# Allegro board LAY_90818_C.brd (continued)
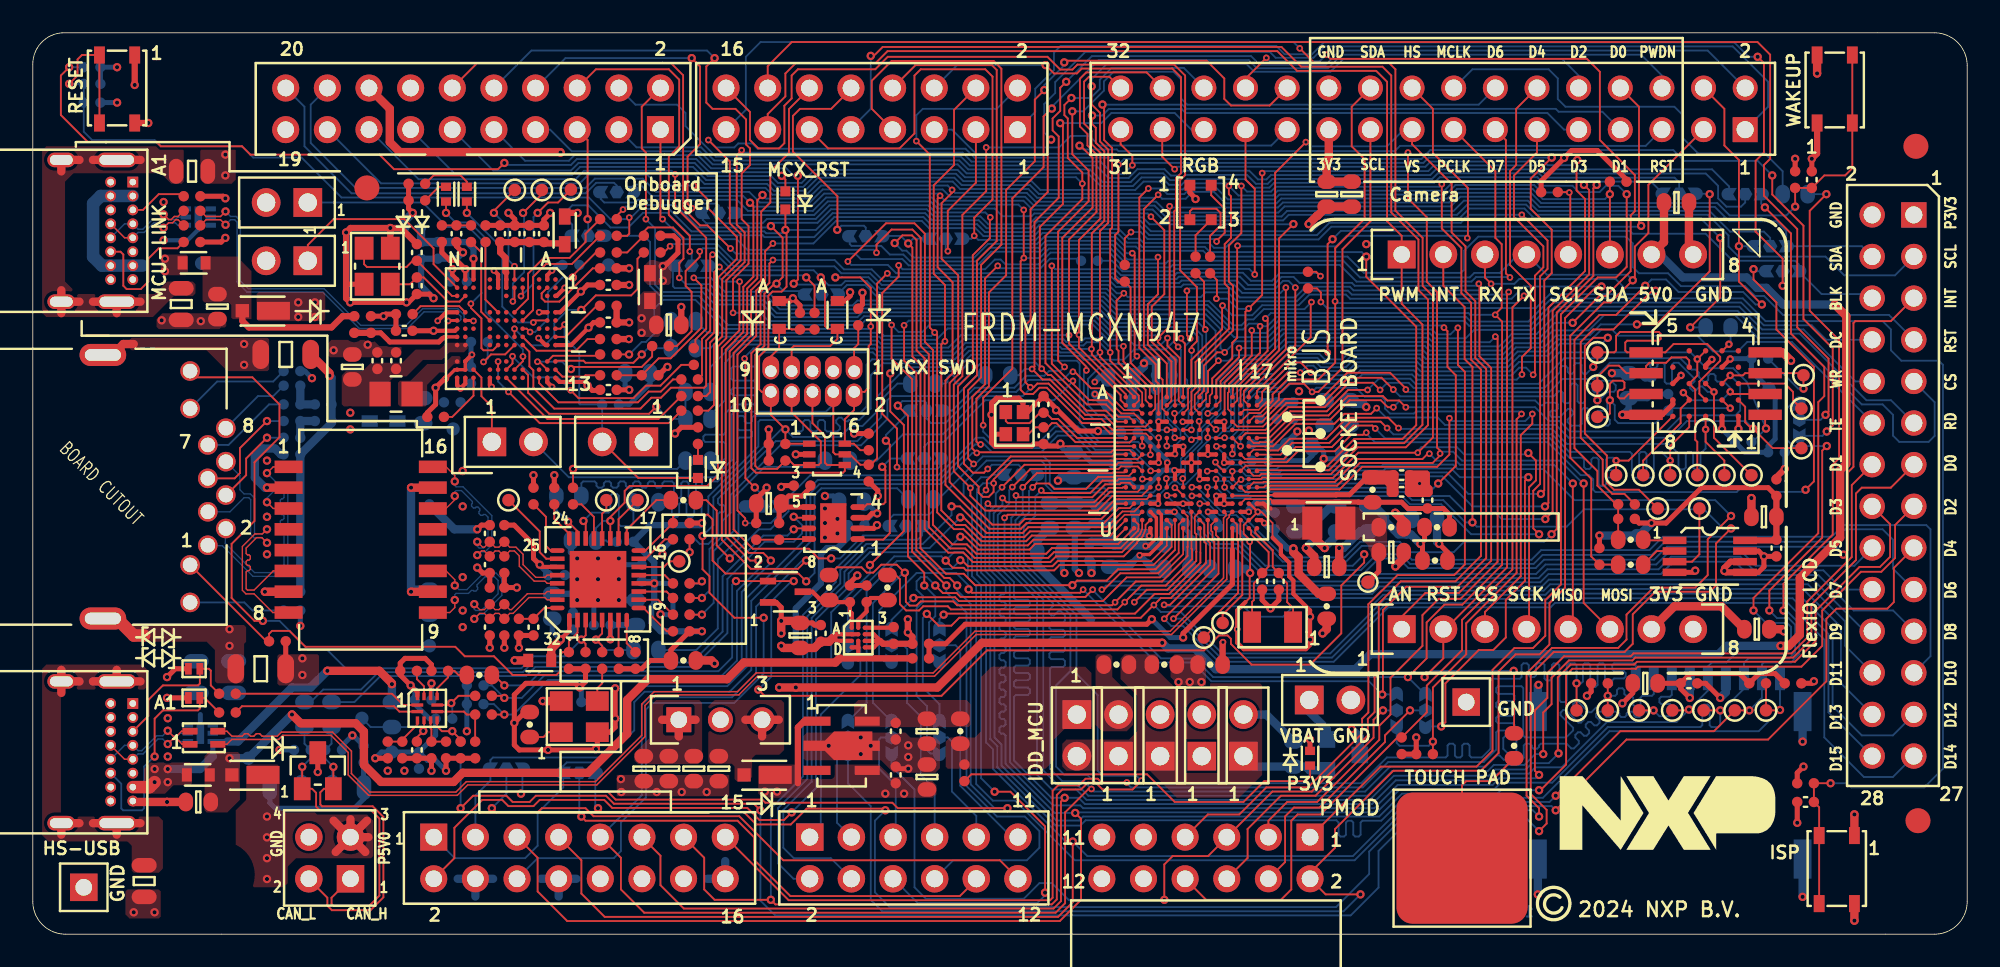
[diagram p0: board, top side]
## Routing (per net, layer and track width the routed paths; a pad name or vN(x,y) marks a point on that pad's centre or on a via; arc(x,y) is an arc through that point) (continued)
P3_1/FLEXSPI0_A_SS1_B: length 39.4
  TOP w0.102: 75.34,33.05 75.34,32.55 74.79,32 73.9,32 U1.C15
  TOP w0.112: 75.34,33.05 76.55,34.26 v1(77.32,34.26) ; v2(96.07,36.39) 95.19,36.39 94.68,35.88 94.68,30.55 96.02,29.21 96.02,27.56 96.45,27.12 97.98,27.12 TP31.1
  BOTTOM w0.112: v1(77.32,34.26) 77.74,34.69 78.12,34.69 78.45,34.36 80.22,34.36 80.76,34.9 84.47,34.9 84.77,34.6 89.98,34.6 90.68,35.3 92.42,35.3 93.16,36.03 95.72,36.03 v2(96.07,36.39)
P3_2/FC7_I2C_SDA: length 87.9
  TOP w0.102: U1.D15 73.68,31.27 74.21,31.8 74.88,31.8 75.52,32.43 75.52,32.45
  TOP w0.112: J9.20 80.45,50.49 80.45,48.07 81.24,47.29 81.24,43.65 79.45,41.86 79.45,38.98 79.45,38.98 79.45,38.67 79.44,38.66 v1(79.44,38.62) 79.45,38.61 79.45,34.88 78.42,33.84 76.53,33.84 75.63,32.94 75.63,32.56 75.52,32.45 ; J7.8 71.58,2.1 76.14,2.1 76.77,2.73 76.77,6.93 77.15,7.31 78.55,7.31 83.25,12.01 R210.2 85.03,13.54 85.03,15.17 87.18,17.32 87.18,19.18 90.26,22.25 90.26,38.25 v1(90.96,38.95)
  BOTTOM w0.112: v1(79.44,38.62) 79.54,38.51 90.52,38.51 v1(90.96,38.95)
P3_3/FC7_I2C_SCL: length 63.3
  TOP w0.102: 75.5,32.11 75.5,32.1 74.99,31.59 74.5,31.59 U1.D16
  TOP w0.112: R211.2 v2(85.41,11.75) 85.41,15.05 87.44,17.09 87.44,18.97 90.51,22.05 90.51,31.42 90.81,31.72 v1(90.81,31.74) ; J9.19 81.6,43.5 79.89,41.8 79.89,34.56 78.42,33.09 v1(78.04,33.09) 77.54,33.59 76.64,33.59 76.01,32.96 76.01,32.62 75.5,32.11
  BOTTOM w0.112: v1(90.81,31.74) 90.66,31.89 84.37,31.89 84.24,31.77 82.79,31.77 82.49,32.07 82.49,32.58 82.27,32.8 81.25,32.8 80.71,33.34 78.29,33.34 v1(78.04,33.09) ; SJ12.1 83.2,11.68 83.37,11.5 85.15,11.5 v2(85.41,11.75)
P3_4/SMARTDMA_LCD_D4_CAMERA_D4: length 40.2
  TOP w0.102: U1.F14 v1(73.67,29.77)
  TOP w0.112: v1(90.84,34.15) 90.84,35.22 91.38,35.75 91.38,39.56 90.11,40.83 90.11,46.56 90.49,46.93 90.49,50.36 J9.12
  BOTTOM w0.102: v1(73.67,29.77) 73.67,30.2 74.1,30.62 74.1,32.52 74.67,33.09 76.22,33.09 76.73,33.6
  BOTTOM w0.112: v1(90.84,34.15) 90.52,33.83 84.45,33.83 84.14,34.15 81.09,34.15 80.54,33.6 76.73,33.6
P3_5/SMARTDMA_LCD_D5_CAMERA_D5: length 39.5
  TOP w0.102: U1.G14 v1(73.17,29.3)
  TOP w0.112: v1(91.52,34.13) 91.63,34.24 91.63,40.18 92.15,40.69 92.15,41.97 90.35,43.76 90.35,46.29 91.76,47.69 J9.11
  BOTTOM w0.102: v1(73.17,29.3) 73.32,29.44 73.32,30.14 73.85,30.67 73.85,32.62 74.57,33.34
  BOTTOM w0.112: 74.57,33.34 76.11,33.34 76.62,33.85 80.43,33.85 80.98,34.4 84.24,34.4 84.56,34.09 90.19,34.09 90.67,34.57 91.09,34.57 v1(91.52,34.13)
P3_6/FLEXSPI0_A_DQS: length 41.5
  TOP w0.102: 75.52,31.8 74.99,31.27 U1.D17
  TOP w0.112: 75.52,31.8 76.38,32.67 78.6,32.67 80.19,34.26 82.79,34.26 83.76,33.3 v1(83.76,33.23) ; U7.C3 v3(102.55,33.09) 102.55,30.29 TP8.1
  BOTTOM w0.112: v1(83.76,33.23) 83.91,33.07 92.5,33.07 93.31,33.88 95.21,33.88 96.2,34.87 98.54,34.87 98.65,34.75 98.65,34.65 98.76,34.54 98.99,34.54 99.1,34.65 99.1,34.75 99.21,34.87 99.43,34.87 99.54,34.75 99.54,33.71 99.66,33.6 99.88,33.6 99.99,33.71 99.99,34.75 100.1,34.87 100.39,34.87 101.37,33.89 101.37,33.73 101.1,33.47 101.1,33.32 101.26,33.16 101.42,33.16 101.68,33.42 101.84,33.42 102.17,33.09 v3(102.55,33.09)
P3_7/FLEXSPI0_A_SCLK: length 40.5
  TOP w0.102: 75.5,31.44 75.04,30.98 73.47,30.98 U1.D14
  TOP w0.112: v2(95.44,32.58) TP18.1 95.44,34 96.14,34.69 96.75,34.69 97.22,34.23 98.41,34.23 98.41,34.66 98.61,34.87 99.63,34.87 99.96,35.2 100.86,35.2 101.04,35.01 U7.B2 ; 75.5,31.44 76.48,32.41 78.7,32.41 80.24,33.95 82.27,33.95 v1(82.99,33.23)
  BOTTOM w0.112: v2(95.44,32.58) 95.55,32.58 96.06,33.1 96.45,33.1 96.56,33.21 96.56,33.49 96.28,33.77 95.72,33.77 95.6,33.66 95.6,33.17 95.49,33.06 95.27,33.06 95.16,33.17 95.16,33.48 95.05,33.6 94.79,33.6 94.68,33.48 94.68,32.51 94.57,32.4 94.34,32.4 94.23,32.51 94.23,33.48 94.12,33.6 93.9,33.6 93.79,33.48 93.79,32.51 93.67,32.4 93.45,32.4 93.34,32.51 93.34,33.03 93.24,33.13 93.08,33.13 92.77,32.82 83.4,32.82 v1(82.99,33.23)
P3_8/FLEXSPI0_A_DATA0: length 44.6
  TOP w0.102: U1.E14 75.19,30.77 75.5,31.08
  TOP w0.112: v1(82.18,33.21) 81.75,33.65 80.29,33.65 78.81,32.16 76.58,32.16 75.5,31.08 ; v2(95.19,34.61) 95.44,34.87 TP16.1 96.47,35.5 96.58,35.61 96.58,36.51 96.82,36.75 99.19,36.75 99.3,36.63 99.3,36.32 99.19,36.21 97.25,36.21 97.14,36.1 97.14,35.61 97.25,35.5 U8.5 99.58,35.5 100.09,36.01 102.14,36.01 102.93,35.22 102.93,34.99 101.66,33.72 101.66,32.98 U7.D3
  BOTTOM w0.112: v2(95.19,34.61) 94.77,34.2 94.58,34.2 94.47,34.31 94.47,34.73 94.36,34.84 94.13,34.84 94.02,34.73 94.02,34.31 93.91,34.2 93.74,34.2 93.63,34.31 93.63,34.55 93.52,34.66 93.29,34.66 93.18,34.55 93.18,34.31 92.2,33.33 84.24,33.33 83.93,33.64 82.62,33.64 v1(82.18,33.21)
P3_9/FLEXSPI0_A_DATA1: length 45.8
  TOP w0.102: 75.48,30.67 75.37,30.56 73.97,30.56 U1.F15
  TOP w0.112: v3(100.68,33.05) 101.04,32.69 U7.D2 100.52,32.07 100.52,31.18 98.23,28.9 TP15.1 ; v1(81.42,33.21) 80.24,33.21 78.93,31.9 76.71,31.9 75.48,30.67 ; v3(103.54,33.1) 103.68,32.96 U8.2
  BOTTOM w0.112: v3(100.68,33.05) 101.15,32.58 103.03,32.58 v3(103.54,33.1) 103.54,33.34 103.17,33.71 102.76,33.71 102.65,33.83 102.65,34.07 102.54,34.18 102.31,34.18 102.2,34.07 102.2,33.83 102.09,33.71 101.92,33.71 101.63,34.01 101.63,34.26 101.44,34.45 101.19,34.45 100.49,35.15 93.42,35.15 91.85,33.58 84.35,33.58 84.03,33.9 82.11,33.9 v1(81.42,33.21)
P3_10/FLEXSPI0_A_DATA2: length 43.4
  TOP w0.102: 75.46,30.29 74.7,30.29 U1.F17
  TOP w0.112: U7.C4 v3(103.54,34.1) 104.32,34.1 104.46,34.23 107.89,34.23 TP13.1 v2(108.01,33.29) ; 75.46,30.29 76.81,31.65 79.04,31.65 80.22,32.83 82.36,32.83 82.63,32.56 83.34,32.56 v1(83.76,32.15)
  BOTTOM w0.112: R59.2 107.68,33.29 v2(108.01,33.29) ; v3(103.54,34.1) 104.15,33.49 104.15,31.94 103.87,31.66 100.61,31.66 99.63,30.67 93.76,30.67 93.13,31.31 92.49,31.31 91.64,32.15 v1(83.76,32.15)
P3_11/FLEXSPI0_A_DATA3: length 47.7
  TOP w0.102: 75.5,30.02 74.85,30.02 74.8,29.97 74.47,29.97 U1.F16
  TOP w0.112: TP14.1 96,31.56 96.2,31.77 v2(96.2,32.58) 96.2,33.59 96.39,33.77 96.98,33.77 97.09,33.66 97.09,33.33 96.98,33.21 96.8,33.21 96.68,33.1 96.68,32.81 96.8,32.69 97.08,32.69 97.34,32.96 U8.7 ; U7.D4 v3(103.54,32.1) ; 75.5,30.02 75.55,30.02 76.92,31.4 79.14,31.4 80.33,32.58 82.23,32.58 82.66,32.15 v1(82.99,32.15)
  BOTTOM w0.112: v3(103.54,32.1) 99.91,32.1 R60.2 99,31.18 96.71,31.18 96.5,31.39 96.5,32.28 v2(96.2,32.58) 96.05,32.43 96.05,32.05 95.94,31.94 95.47,31.94 95.36,31.82 95.36,31.6 95.47,31.49 96.09,31.49 96.2,31.38 96.2,31.14 96.09,31.03 95.04,31.03 94.93,31.14 94.93,31.99 94.82,32.1 94.59,32.1 94.48,31.99 94.48,31.14 94.37,31.03 93.84,31.03 93.63,31.24 93.63,31.4 93.96,31.74 93.96,31.9 93.81,32.05 93.65,32.05 93.16,31.56 92.65,31.56 92.53,31.68 92.53,31.83 92.65,31.95 92.9,31.95 93.03,32.07 93.03,32.33 92.92,32.43 92.26,32.43 92.1,32.27 91.94,32.27 91.64,32.56 83.4,32.56 v1(82.99,32.15)
P3_12/FLEXSPI0_A_DATA4: length 38.7
  TOP w0.102: 75.5,29.77 U1.G16
  TOP w0.112: v1(81.98,32.1) 81.63,31.75 80.01,31.75 79.4,31.14 77.02,31.14 75.65,29.77 75.5,29.77 ; U7.D5 104.46,32.18 104.46,31.23 104.84,30.85 v2(104.94,30.85) 106.13,29.66 TP17.1
  BOTTOM w0.112: v2(104.94,30.85) 104.48,31.31 100.9,31.31 99.88,30.29 93.69,30.29 92.91,31.07 86.15,31.07 85.69,31.53 82.55,31.53 v1(81.98,32.1)
P3_13/FLEXSPI0_A_DATA5: length 38.8
  TOP w0.102: U1.H16 74.47,29.56 75.22,29.56 75.26,29.52 75.5,29.52
  TOP w0.112: TP11.1 103.19,28.9 102.04,30.04 v3(102.04,30.8) U7.E3 ; v1(83.31,30.88) 82.68,31.51 80.17,31.51 78.89,30.23 76.68,30.23 75.97,29.52 75.5,29.52
  BOTTOM w0.112: v1(83.31,30.88) 83.36,30.83 92.67,30.83 93.58,29.91 99.79,29.91 100.39,29.32 100.39,28.48 100.5,28.36 100.72,28.36 100.83,28.48 100.83,29.32 100.95,29.43 101.17,29.43 101.28,29.32 101.28,28.48 101.39,28.36 101.62,28.36 101.73,28.48 101.73,29.32 102.04,29.63 v3(102.04,30.8)
P3_14/FLEXSPI0_A_DATA6: length 36.9
  TOP w0.102: 76.25,29.39 76.12,29.26 74.68,29.26 U1.H17
  TOP w0.112: v1(82.61,30.88) 82.22,31.27 80.39,31.27 79.09,29.98 76.83,29.98 76.25,29.39 ; TP10.1 v3(99.88,28.9) 99.88,29.79 101.04,30.94 U7.E2
  BOTTOM w0.112: v1(82.61,30.88) 83,30.5 92.66,30.5 93.73,29.43 97.43,29.43 97.54,29.32 97.54,27.97 97.65,27.86 97.88,27.86 97.99,27.97 97.99,29.32 98.1,29.43 98.32,29.43 98.44,29.32 98.44,27.97 98.55,27.86 98.77,27.86 98.88,27.97 98.88,29.32 98.99,29.43 99.35,29.43 v3(99.88,28.9)
P3_15/FLEXSPI0_A_DATA7: length 35.9
  TOP w0.102: 76.42,29.1 76.31,29 73.95,29 U1.H15
  TOP w0.112: 76.42,29.1 77.04,29.72 79.25,29.72 80.56,31.04 81.71,31.04 v1(81.89,30.86) ; TP9.1 v3(96.58,28.9) 97.34,28.9 U7.E1
  BOTTOM w0.112: v3(96.58,28.9) 96.4,29.07 96.08,29.07 95.97,28.96 95.97,28.42 96.08,28.31 96.67,28.31 96.79,28.2 96.79,27.98 96.67,27.87 96.08,27.87 95.97,27.75 95.97,27.46 95.85,27.35 95.63,27.35 95.52,27.46 95.52,28.96 95.41,29.07 95.18,29.07 95.07,28.96 95.07,28.5 94.96,28.39 94.74,28.39 94.63,28.5 94.63,28.96 94.51,29.07 93.74,29.07 92.55,30.26 82.49,30.26 v1(81.89,30.86)
P3_16/SAI1_TX_BCLK: length 53.5
  TOP w0.102: 76.55,28.86 76.49,28.8 73.7,28.8 U1.J15
  TOP w0.112: v2(104.96,40.58) 104.96,39.95 106.36,38.55 106.36,36.9 108.65,34.61 108.65,27.63 v2(108.14,27.12) ; 76.55,28.86 77.16,29.47 79.42,29.47 80.43,30.47 81.14,30.47 81.27,30.6 v1(81.34,30.6)
  BOTTOM w0.112: v2(104.96,40.58) 105.09,40.45 SJ11.1 ; v1(81.34,30.6) 81.34,30.55 81.87,30.02 92.41,30.02 94.42,28.01 94.93,28.01 95.19,27.75 95.19,27.12 95.33,26.98 103.93,26.98 104.2,27.25 105.85,27.25 106.11,26.99 108.01,26.99 v2(108.14,27.12)
P3_17/SAI1_TX_FS: length 75.1
  TOP w0.102: U1.K15 74,28.59 75.47,28.59 75.48,28.58
  TOP w0.112: J1.11 48.51,47.95 52.87,47.95 53.78,48.86 53.78,52.39 54.16,52.77 58.1,52.77 58.54,52.33 58.54,44.83 57.43,43.72 v1(57.43,42.61) ; 75.48,28.58 78.97,28.58 80.61,30.22 83.55,30.22 84.39,31.06 84.39,37.07 81.34,40.12 v2(81.34,41.34)
  BOTTOM w0.112: v2(81.34,41.34) 81.07,41.62 71.81,41.62 71.49,41.94 67.67,41.94 67.41,42.19 66.75,42.19 66.16,42.78 61.59,42.78 61.17,42.36 57.68,42.36 v1(57.43,42.61) 57.25,42.44 SJ10.3
P3_18/SAI1_RX_BCLK: length 72.3
  TOP w0.102: U1.K16 74.47,27.98 74.83,27.98 74.94,28.08 75.52,28.08 75.53,28.07 79.18,28.07
  TOP w0.112: 79.18,28.07 80.82,29.71 83.76,29.71 85.11,31.06 85.11,38.72 84.53,39.3 84.53,42.38 82.87,44.04 82.87,52.39 82.33,52.93 77.37,52.93 76.17,54.13 51.84,54.13 51.3,53.59 v2(51.12,53.59)
  BOTTOM w0.112: v2(51.12,53.59) 51.12,50.36 49.91,49.15 J1.9
P3_19/ME_PWM: length 75
  TOP w0.102: 79,28.31 74.71,28.31 U1.K17
  TOP w0.112: J1.13 44.83,50.04 45.91,51.12 45.91,52.52 46.54,53.15 51.41,53.15 52.14,53.88 75.92,53.88 77.12,52.68 81.95,52.68 82.61,52.01 82.61,43.5 83.5,42.61 J5.1 83.5,38.46 84.77,37.2 84.77,31.08 83.65,29.96 80.72,29.96 79.06,28.31 79,28.31
P3_20/ME_FC6_SPI_MOSI: length 80
  TOP w0.102: 75.5,27.37 75.19,27.37 75.1,27.27 U1.M17
  TOP w0.112: 75.5,27.37 79.56,27.37 80.95,28.75 85.39,28.75 85.84,29.21 v1(85.84,29.33) 85.84,29.51 85.66,29.69 85.66,39.18 85.03,39.81 85.03,43.75 83.89,44.89 v1(83.89,47.69) ; J6.6 94.6,20.21 v2(94.6,27.5)
  BOTTOM w0.112: v1(83.89,47.69) 83.74,47.54 66.13,47.54 66.05,47.62 57.54,47.62 56.07,49.09 J1.5 ; v2(94.6,27.5) 94.56,27.5 93.16,28.9 87.18,28.9 86.64,29.44 85.96,29.44 v1(85.84,29.33)
P3_21/ME_FC6_SPI_CLK: length 99.7
  TOP w0.102: U1.L16 74.91,27.77 75.01,27.86 75.41,27.86 75.43,27.84 75.5,27.84
  TOP w0.112: 75.5,27.84 79.31,27.84 80.85,29.38 v1(84.48,29.38) 85.41,30.3 85.41,38.93 84.78,39.56 84.78,42.49 83.12,44.15 83.12,52.77 82.72,53.17 78.17,53.17 v1(77.29,54.05) ; v2(91.23,29.36) 91.69,28.9 91.69,27.69 91.27,27.27 91.27,18.77 J6.4
  BOTTOM w0.112: v1(84.48,29.38) 84.48,29.5 84.7,29.71 86.87,29.71 87.31,29.28 91.15,29.28 v2(91.23,29.36) ; v1(77.29,54.05) 76.9,54.44 44.4,54.44 43.5,53.53 43.5,50.3 J1.15
P3_22/ME_FC6_SPI_MISO: length 30.4
  TOP w0.102: U1.M16 74.47,27.57 75.06,27.57 75.09,27.6 75.56,27.6
  TOP w0.112: v2(93.94,27.5) 93.94,18.89 J6.5 ; 75.56,27.6 79.43,27.6 80.83,28.99 84.77,28.99 85.09,29.32 v1(85.19,29.32)
  BOTTOM w0.112: v2(93.94,27.5) 92.8,28.64 87.06,28.64 86.81,28.89 85.62,28.89 85.2,29.32 v1(85.19,29.32)
P3_23/ME_FC6_SPI_CS: length 35.7
  TOP w0.102: 75.5,27.14 75.39,27.14 75.24,26.99 74.86,26.99 74.85,26.98 73.97,26.98 U1.M15
  TOP w0.112: 75.5,27.14 79.71,27.14 81.09,28.52 85.66,28.52 86.41,29.27 v1(86.41,31.48) ; J6.3 88.58,19.66 90.77,21.84 90.77,30.45 91.47,31.15 v1(91.47,31.74)
  BOTTOM w0.112: v1(86.41,31.48) 86.59,31.31 91.04,31.31 v1(91.47,31.74)
P4_0/FC2_I2C_SDA-ARD_D18: length 152.1
  TOP w0.112: U1.P1 66.12,26.27 65.19,25.34 60.52,25.34 60.17,24.99 58.53,24.99 55.93,27.59 55.93,33.63 56.45,34.15 56.45,40.2 55.43,41.22 55.43,44.6 56.08,45.24 v1(56.08,45.41) ; R45.1 v2(28.76,13.4) ; v2(44.51,45.1) 44.19,44.78 44.19,40.01 43.58,39.4 43.58,36.63 43.08,36.14 42.51,35.56 42.51,24.42 43.67,23.26 44.56,23.26 v2(45.02,22.8)
  BOTTOM w0.112: v2(45.02,22.8) 45.02,22.66 43.25,20.88 43.25,16.5 42.26,15.52 31.44,15.52 29.32,13.4 v2(28.76,13.4) 28.13,14.04 R148.2 ; v2(44.51,45.1) 44.73,44.88 47.29,44.88 48.09,45.68 55.81,45.68 v1(56.08,45.41) 56.26,45.23 60.63,45.23 61.17,44.69 68.53,44.69 69.19,44.03 75.98,44.03 76.35,44.41 86.49,44.41 87.08,45 91.29,45 91.91,44.37 102.61,44.37 103.48,43.5 106.36,43.5 106.96,42.91 SJ14.1 111.57,41.98 J8.4
P4_1/FC2_I2C_SCL-ARD_D19: length 162.6
  TOP w0.102: 66.37,26 66.9,26 U1.P2
  TOP w0.112: v1(55.34,45.06) 55.2,44.91 55.2,40.69 56.1,39.78 56.1,34.22 55.67,33.78 55.67,27.41 58.35,24.74 60.27,24.74 60.62,25.09 65.34,25.09 66.25,26 66.37,26 ; R43.1 28.64,14.55 v2(28.76,14.42) ; v2(43.75,44.63) 43.96,44.42 43.96,40.11 43.34,39.5 43.34,36.74 42.83,36.23 42.83,36.22 42.27,35.66 42.27,24.28 43.75,22.8 v2(44.26,22.8)
  BOTTOM w0.112: J8.3 113.59,40.2 110.5,40.2 109.36,41.34 104.06,41.34 103.44,41.96 103.44,42.63 102.18,43.9 91.71,43.9 91.09,44.52 87.5,44.52 86.88,43.89 76.61,43.89 76.27,43.55 68.98,43.55 68.31,44.22 60.97,44.22 60.43,44.75 55.65,44.75 v1(55.34,45.06) 55.21,45.19 48.27,45.19 47.48,44.39 43.99,44.39 v2(43.75,44.63) 43.33,45.05 37.76,45.05 37.07,45.74 36.71,45.74 36.6,45.63 SJ15.1 ; R149.2 28,15.18 v2(28.76,14.42) 29.83,14.42 31.19,15.78 42.04,15.78 42.95,16.7 42.95,20.95 44.26,22.26 v2(44.26,22.8)
P4_2/FC2_P2_UART_TXD_MCULINK: length 56.4
  TOP w0.102: 66.36,24.96 U1.T1
  TOP w0.112: J1.4 56.2,50.3 56.2,46.93 54.96,45.69 54.96,40.3 55.64,39.61 v1(55.64,36.18) 55.6,36.18 55.42,35.99 55.42,25.86 56.32,24.97 56.88,24.97 57.87,23.98 60.59,23.98 60.94,24.32 65.73,24.32 66.36,24.96
  BOTTOM w0.112: R178.2 41.34,34.6 42.95,36.22 51.54,36.22 51.73,36.03 55.49,36.03 v1(55.64,36.18)
P4_3/FC2_P3_UART_TXD_MCULINK: length 59.4
  TOP w0.102: 66.17,24.26 U1.U1
  TOP w0.112: v1(53.9,48.39) 54.72,47.57 54.72,37.01 v1(55.02,36.71) 55.17,36.56 55.17,25.74 56.19,24.71 56.78,24.71 57.77,23.72 60.7,23.72 61.04,24.07 65.98,24.07 66.17,24.26
  BOTTOM w0.112: J1.2 58.8,50.36 54.29,50.36 53.9,49.97 v1(53.9,48.39) ; v1(55.02,36.71) 54.81,36.51 51.93,36.51 51.74,36.69 41.16,36.69 R179.2
P4_4/SMARTDMA_LCD_CS: length 72.6
  TOP w0.102: v1(69.14,27.8) 69.17,27.77 U1.M6
  TOP w0.112: v2(93.93,37.3) 95.56,38.93 95.95,38.93 97.47,40.45 97.47,43.86 97.73,44.11 97.73,46.32 95.59,48.45 95.59,52.62 94.8,53.41 79.15,53.41 v1(78.9,53.66) ; J9.26 73.98,52.2 v1(75.25,53.47)
  BOTTOM w0.102: v1(69.14,27.8) 69.22,27.88 69.72,27.88 70.04,28.2 70.04,29.03 71.06,30.05 71.06,30.65 72.45,32.05 72.45,33.49
  BOTTOM w0.112: 72.45,33.49 73.77,34.81 75.6,34.81 76.68,35.9 84.9,35.9 85.19,35.61 89.56,35.61 90.31,36.36 91.9,36.36 92.84,37.3 v2(93.93,37.3) ; v1(78.9,53.66) 78.5,53.26 75.45,53.26 v1(75.25,53.47)
P4_5/FXIO_LCD_GPIO: length 56.5
  TOP w0.102: U1.M8 70.17,27.77 v1(70.15,27.8)
  TOP w0.112: v1(79,35.49) 78.99,35.5 78.99,35.85 78.99,42.11 v2(79.28,42.4)
  BOTTOM w0.102: 72.71,33.22 72.71,32.02 71.31,30.62 71.31,30.01 70.29,29 70.29,27.95 v1(70.15,27.8)
  BOTTOM w0.112: v1(79,35.49) 78.84,35.64 76.79,35.64 75.63,34.48 73.98,34.48 72.71,33.22 ; J8.6 111.95,39.06 109.12,39.06 SJ11.3 107.72,40.87 107.5,41.09 103.69,41.09 102.04,42.74 97.6,42.74 97.43,42.91 79.79,42.91 v2(79.28,42.4)
P4_6/FXIO_LCD_INT: length 64.3
  TOP w0.102: U1.N7 v1(69.18,26.77)
  TOP w0.112: J8.5 113.34,37.41 111.17,37.41 111.06,37.29 111.06,28.52 110.7,28.16 110.7,23.41 v2(110.45,23.16)
  BOTTOM w0.102: v1(69.18,26.77) 69.18,26.75 70.19,25.74 70.44,25.74 71.08,25.11
  BOTTOM w0.112: v2(110.45,23.16) 110.45,23.21 110.02,23.64 99.69,23.64 98.89,22.85 92.19,22.85 91.67,22.34 83.91,22.34 83.32,22.93 82.1,22.93 81.09,21.91 75.03,21.91 73.39,23.56 71.95,23.56 71.08,24.43 71.08,25.11
P4_7/FXIO_LCD_RST: length 104.5
  TOP w0.102: U1.T4 67.88,24.97 67.88,24.7 67.69,24.25 67.36,23.92
  TOP w0.112: 67.36,23.92 67.36,23.87 66.55,23.05 62.42,23.05 62.07,22.71 57.34,22.71 56.77,23.28 55.84,23.28 54.4,24.72 54.4,35.13 53.91,35.63 53.91,42.36 53.63,42.64 53.05,42.64 v2(52.58,42.17)
  BOTTOM w0.112: v2(52.58,42.17) 53.04,41.71 53.29,41.71 53.71,41.29 57.43,41.29 58.26,42.12 61.27,42.12 61.69,42.54 66.06,42.54 66.65,41.95 67.29,41.95 67.54,41.7 71.39,41.7 71.75,41.34 80.2,41.34 81.19,40.35 87.12,40.35 87.31,40.54 87.31,41.7 88.17,42.56 97.18,42.56 97.6,42.15 97.6,40.71 97.98,40.33 99.75,40.33 100.54,39.54 104.46,39.54 105.06,38.94 105.61,38.94 106.76,37.79 113.22,37.79 J8.7
P4_12/FXIO_D20: length 111.7
  TOP w0.102: U1.T6 69.47,24.97 69.47,23.63 68.36,22.52 66.67,22.52
  TOP w0.112: v2(92.9,7.56) 97.22,11.88 105.85,11.88 109.41,15.43 109.41,19.24 110.03,19.86 113.13,19.86 113.52,20.26 113.52,22.35 J8.17 ; v2(55.69,22.79) 56.12,22.36 56.78,22.36 56.94,22.2 62.3,22.2 62.63,22.52 66.67,22.52
  BOTTOM w0.112: SJ25.1 49.72,20.22 52.55,23.05 55.43,23.05 v2(55.69,22.79) 55.69,22.8 56.2,23.31 56.74,23.31 57.04,23.01 57.04,21.74 57.55,21.23 57.55,9.17 58.56,8.15 59.92,8.15 63.56,4.51 80.63,4.51 83.93,7.81 92.65,7.81 v2(92.9,7.56)
P4_13/FXIO_D21: length 91.7
  TOP w0.102: U1.T7 69.67,25.27 69.67,23.45
  TOP w0.112: 69.67,23.45 68.49,22.27 66.2,22.27 65.51,21.58 63.7,21.58 v2(63.42,21.29) 57.48,21.29 56.79,21.99 55.71,21.99 54.15,23.55 54.15,34.75 53.66,35.25 53.66,41.89 v2(53.4,42.15)
  BOTTOM w0.112: SJ10.1 53.69,42.44 v2(53.4,42.15) 52.94,42.61 51.81,42.61 SJ2.3 ; v2(63.42,21.29) 63.65,21.52 81.21,21.52 81.66,21.98 91.7,21.98 92.27,22.56 99.03,22.56 99.81,23.34 104.24,23.34 105.09,22.48 111.12,22.48 J8.18
P4_14/FXIO_D22: length 52.6
  TOP w0.102: U1.N8 69.7,27.24 69.67,27.24 v1(69.67,27.24)
  BOTTOM w0.102: 71.44,25.09 70.52,26 70.52,26.42 69.7,27.24 v1(69.67,27.24)
  BOTTOM w0.112: J8.19 113.47,22.3 113.47,24.07 112.84,24.71 110.55,24.71 109.79,23.95 99.56,23.95 98.76,23.14 92.1,23.14 91.55,22.59 84.02,22.59 83.43,23.18 81.98,23.18 81.01,22.22 75.09,22.22 73.5,23.81 72.08,23.81 71.44,24.45 71.44,25.09
P4_15/FXIO_D23: length 56.4
  TOP w0.102: 69.9,23.27 69.9,25 U1.T8
  TOP w0.112: 69.9,23.27 68.65,22.02 66.34,22.02 65.34,21.02 v1(65.21,21.02)
  BOTTOM w0.112: v1(65.21,21.02) 65.46,21.27 81.49,21.27 81.94,21.73 91.85,21.73 92.39,22.26 99.17,22.26 99.94,23.03 104.16,23.03 104.99,22.2 109.23,22.2 110.4,21.03 J8.20
P4_16/FXIO_D24: length 90.6
  TOP w0.102: U1.R8 70.45,25.5 70.45,23.66 70.44,23.65
  TOP w0.112: R34.1 49.05,22.38 50.55,22.38 50.87,22.06 51.27,22.06 51.75,22.55 52.7,22.55 v2(53.19,22.06) 53.26,21.99 53.26,20.28 53.48,20.05 53.91,20.05 54.17,20.31 56.15,20.31 56.39,20.07 65.84,20.07 v1(66.02,20.25) 67.29,21.52 68.89,21.52 70.44,23.07 70.44,23.65
  BOTTOM w0.112: SJ23.1 51.24,14.13 51.24,20.2 53.1,22.06 v2(53.19,22.06) ; v1(66.02,20.25) 66.78,21.02 81.59,21.02 82.05,21.47 91.95,21.47 92.45,21.97 99.31,21.97 100.07,22.73 103.83,22.73 104.64,21.92 108.91,21.92 111.08,19.75 113.48,19.75 J8.21
P4_17/FXIO_D25: length 72.2
  TOP w0.102: U1.R9 70.68,25.77 70.68,23.52 70.72,23.48
  TOP w0.112: R28.1 52.64,21.91 52.89,21.66 52.89,20.13 53.28,19.75 54.06,19.75 54.32,20.01 55.82,20.01 56.01,19.82 66.17,19.82 v1(66.61,20.26) 67.62,21.27 69.1,21.27 70.72,22.88 70.72,23.48
  BOTTOM w0.112: v1(66.61,20.26) 67.11,20.76 81.7,20.76 82.15,21.22 92.06,21.22 92.47,21.63 108.6,21.63 111.75,18.49 J8.22
P4_18/FXIO_D26: length 58.1
  TOP w0.102: U1.N10 70.73,26.77 v1(70.71,26.74)
  BOTTOM w0.102: v1(70.71,26.74) 71.22,26.74 72.39,25.57 73.41,25.57
  BOTTOM w0.112: 73.41,25.57 76.24,22.74 80.12,22.74 81.07,23.69 83.28,23.69 84.12,22.85 91.42,22.85 92.01,23.44 98.62,23.44 99.43,24.25 109.74,24.25 110.44,24.96 115.51,24.96 115.76,24.71 115.76,16.96 J8.23
P4_19/FXIO_D27: length 56.5
  TOP w0.102: U1.R10 70.88,25.48 70.88,24.5 70.98,24.4 70.98,23.33
  TOP w0.112: 70.98,23.33 70.97,23.33 70.97,22.78 69.21,21.02 67.95,21.02 v1(67.19,20.26)
  BOTTOM w0.112: J8.24 110.55,17.6 110.55,19.09 108.29,21.35 92.55,21.35 92.16,20.96 82.26,20.96 81.8,20.51 67.44,20.51 v1(67.19,20.26)
P4_20/FXIO_D28: length 84.8
  TOP w0.102: U1.T10 71.47,24.98 71.47,23.93 71.56,23.83 71.56,22.65
  TOP w0.112: v2(54.54,19.54) 55.25,18.83 56.03,18.83 56.51,19.31 67.59,19.31 68.36,20.08 v1(68.39,20.08) 68.81,20.51 69.42,20.51 71.56,22.65
  BOTTOM w0.112: J8.25 113.47,12.13 111.57,12.13 109.79,13.91 109.79,18.66 107.66,20.78 92.7,20.78 92.37,20.46 82.47,20.46 79.15,17.13 72.55,17.13 70.02,19.66 68.81,19.66 v1(68.39,20.08) ; v2(54.54,19.54) 54.29,19.3 54.29,15.05 55.31,14.04 SJ21.1
P4_21/FXIO_D29: length 56
  TOP w0.102: 71.82,22.82 71.82,23.86 71.69,23.98 71.69,24.47 71.67,24.49 U1.T11
  TOP w0.112: 71.82,22.82 71.82,22.55 69.37,20.1 v1(69.01,20.1)
  BOTTOM w0.112: J8.26 110.3,15.31 110.3,18.74 107.98,21.07 92.63,21.07 92.27,20.71 82.36,20.71 81.63,19.97 76.86,19.97 76.26,19.37 74.48,19.37 73.85,20.01 69.1,20.01 v1(69.01,20.1)
P4_22/FXIO_D30: length 64.2
  TOP w0.102: U1.T12 71.88,24.98 71.88,24.62 71.96,24.54 71.96,24.05
  TOP w0.112: v1(69.02,19.24) 69.17,19.39 69.17,19.42 72.07,22.32 72.07,23.94 71.96,24.05
  BOTTOM w0.112: v1(69.02,19.24) 69.02,19.23 69.44,18.81 70.15,18.81 72.34,16.62 79.36,16.62 82.68,19.95 92.59,19.95 92.85,20.22 107.04,20.22 109.28,17.97 109.28,12.01 111.7,9.59 113.47,9.59 J8.27
P4_23/FXIO_D31: length 58.6
  TOP w0.102: 72.33,24.2 72.17,24.35 U1.U12
  TOP w0.112: 72.33,24.2 72.33,22 v1(69.58,19.25)
  BOTTOM w0.112: J8.28 109.54,13.54 109.54,18.31 107.35,20.5 92.78,20.5 92.48,20.2 82.57,20.2 79.25,16.88 72.45,16.88 70.07,19.25 v1(69.58,19.25)
P5-9V_VIN: length 7.2
  TOP w0.508: J15.1 40.42,13.09 ; J15.1 39.41,12.07 ; J15.1 38.39,13.09
  BOTTOM w0.508: 42.24,4.46 J3.16 41.16,3.38 ; 40.42,13.09 J15.1 39.41,12.07
P5_2/MC_BEMF_B: length 52.2
  TOP w0.102: v1(70.7,27.28) 70.78,27.28 70.78,27.27 U1.M10
  TOP w0.112: v2(95.4,45.72) 95.19,45.52 95.19,40.16 92.96,37.93 92.96,24.72 v2(92.65,24.41)
  BOTTOM w0.102: 73.56,25.78 72.52,25.78 71.03,27.28 v1(70.7,27.28)
  BOTTOM w0.112: v2(92.65,24.41) 92.18,23.94 87.31,23.94 86.68,23.31 84.02,23.31 83.39,23.94 80.96,23.94 80.01,22.99 76.35,22.99 73.56,25.78 ; SJ19.1 98.71,45.92 95.6,45.92 v2(95.4,45.72)
P5_3/MC_BEMF_C: length 106
  TOP w0.102: U1.N11 71.67,27.24 v1(71.65,27.27)
  TOP w0.112: v1(90.83,43.89) 92.4,42.32 92.4,40.59 91.95,40.14 91.95,27.47 91.53,27.06 91.53,24.76 v2(91.88,24.41)
  BOTTOM w0.102: v1(71.65,27.27) 72.17,27.27 72.83,26.61